# Allegro board 1010260-900-0012_PCB_Rev-a.brd (continued)
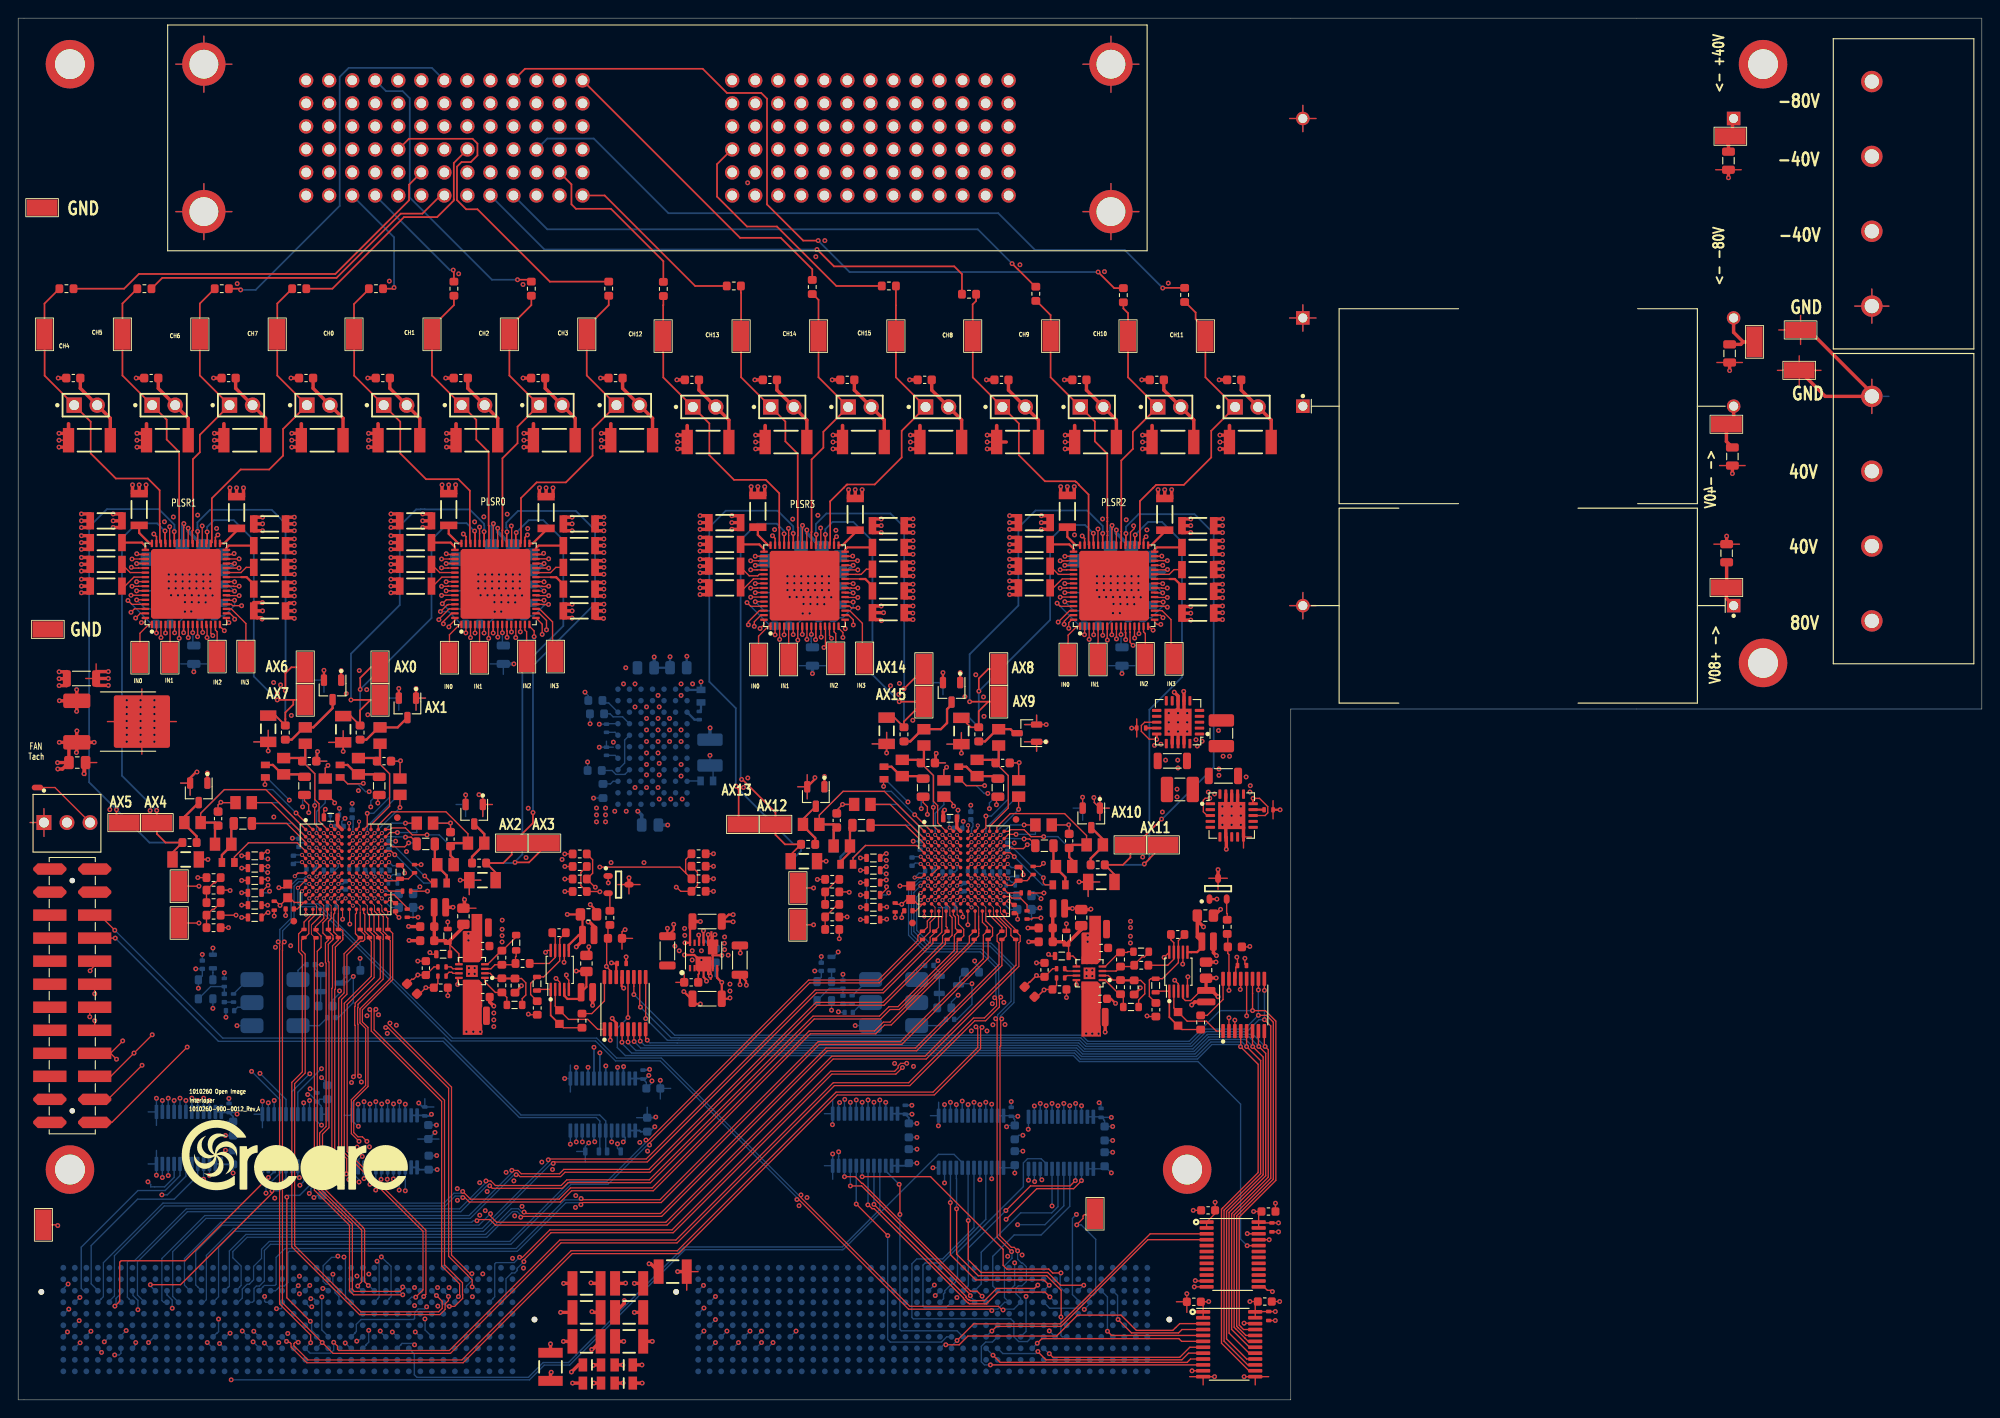
[diagram p0: board, top side]
## Routing (per net, layer and track width the routed paths; a pad name or vN(x,y) marks a point on that pad's centre or on a via; arc(x,y) is an arc through that point) (continued)
PLSR1_SEL2_3V3: length 55.7
  TOP w0.152: U36.12 20.32,85.46 20.32,84.71 20.35,84.68 v1(20.35,84.65)
  L3 - SIG1 w0.152: v1(19.8,33.02) 19.8,33.36 17.84,35.32 17.84,81.56 20.26,83.98 20.35,84.07 v1(20.35,84.65)
  BOTTOM w0.152: U6.20 v1(19.8,33.02)
PLSR1_SEL3: length 22
  L3 - SIG1 w0.152: v1(25.98,7.57) 25.15,8.41 25.15,21.35 27.55,23.75 v1(28.3,23.75)
  BOTTOM w0.152: U7.8 29.53,24.46 28.82,23.75 v1(28.3,23.75) ; J3.D23 26.57,6.96 26.55,6.99 26.55,7.01 v1(25.98,7.57)
PLSR1_SEL3_3V3: length 59.9
  TOP w0.152: U36.16 22.25,85.32 v1(22.73,84.84)
  L3 - SIG1 w0.152: v1(25.74,36.23) 18.96,43.01 18.96,78.13 22.73,81.9 v1(22.73,84.84)
  BOTTOM w0.152: v1(25.74,36.23) 28.88,33.09 U7.16
PLSR2_CLK: length 58
  L8 - SIG4 w0.152: v1(66.73,28.45) 87.22,7.95 113.36,7.95 v1(113.7,7.61)
  BOTTOM w0.152: v1(66.73,28.45) 66.94,28.66 66.94,28.93 66.74,29.12 U9.3 ; J2.D9 v1(113.7,7.61)
PLSR2_CLK_3V3: length 88.1
  TOP w0.196: U38.8 v1(120.6,84.38)
  L8 - SIG4 w0.152: v1(66.09,36.68) 66.09,45.44 68.66,48.01 68.66,58.01 89.99,79.35 116.64,79.35 120.6,83.31 v1(120.6,84.38)
  BOTTOM w0.196: U9.21 v1(66.09,36.68)
PLSR2_NEG0: length 24.8
  L8 - SIG4 w0.152: v1(106.05,24.28) 106.05,15.77 111.84,9.98 v1(117.56,9.98)
  BOTTOM w0.152: v1(117.56,9.98) 118.16,10.58 J2.G6 ; v1(106.05,24.28) U5.5
PLSR2_NEG0_3V3: length 63.3
  TOP w0.152: v1(115.34,85.54) 115.35,85.55 115.35,85.89 116.01,86.55 U38.63
  L3 - SIG1 w0.152: v1(105.4,32.82) 105.4,32.82 119.37,46.8 119.37,77.17 115.35,81.2 115.35,85.53 v1(115.34,85.54)
  BOTTOM w0.152: U5.19 v1(105.4,32.82)
PLSR2_NEG1: length 16.8
  L8 - SIG4 w0.152: v1(112.88,24.27) v1(116.7,20.46)
  BOTTOM w0.152: v1(112.88,24.27) 112.71,24.45 U3.10 ; v1(116.7,20.46) 116.26,20.02 116.26,11.61 116.89,10.97 J2.G7
PLSR2_NEG1_3V3: length 58.4
  TOP w0.152: U38.3 v1(118.1,83.88)
  L3 - SIG1 w0.152: v1(118.1,83.88) 118.1,79.76 120.21,77.64 120.21,73.32 120.22,73.31 120.22,46.43 112.06,38.27 v1(112.06,32.42)
  BOTTOM w0.152: U3.14 v1(112.06,32.42)
PLSR2_NEG2: length 19.3
  BOTTOM w0.152: J2.H16 106.2,12.77 106.2,16.28 110.54,20.62 113.97,20.62 114.66,21.31 U3.7
PLSR2_NEG2_3V3: length 58.2
  TOP w0.152: U38.13 123.1,84.04 v1(123.11,84.02)
  L3 - SIG1 w0.152: v1(114.01,32.7) 114.01,39 121.06,46.05 121.06,73.66 121.05,73.67 121.05,77.82 123.43,80.2 123.43,83.71 v1(123.11,84.02)
  BOTTOM w0.152: U3.17 v1(114.01,32.7)
PLSR2_NEG3: length 21.2
  TOP w0.152: v1(116.57,24.18) 115.99,23.6 111.63,23.6 v1(108.92,20.88)
  BOTTOM w0.152: U3.4 116.61,24.21 v1(116.57,24.18) ; v1(108.92,20.88) 104.78,16.74 104.78,12.6 104.21,12.04 J2.H17
PLSR2_NEG3_3V3: length 59.5
  TOP w0.152: U38.17 125.32,85.81 125.6,85.53 v1(126,85.53)
  L3 - SIG1 w0.152: v1(115.96,32.44) 115.96,39.63 121.89,45.57 121.89,77.47 126,81.58 v1(126,85.53)
  BOTTOM w0.152: U3.20 v1(115.96,32.44)
PLSR2_OTPN: length 176.1
  TOP w0.152: 8.44,43.31 7.9,42.76 v1(7.9,42.25) ; v1(126.72,87.43) 126.52,87.43 126.44,87.52 126.06,87.52 126.03,87.55 U38.20
  L3 - SIG1 w0.152: v1(126.72,87.43) 126.57,87.29 123.27,87.29 123.27,87.29 122.11,87.29 122.11,87.29 119.84,87.29 119.69,87.43 114.29,87.43 113.79,87.93 93.87,87.93 92.74,86.8 91.96,86.8 91.56,86.4 86.36,86.4 85.67,87.08 79.8,87.08 77.66,84.94 77.66,61.9 75.9,60.13 75.9,57 71.11,52.21 71.11,39.66 62.33,30.89 14.82,30.89 7.9,37.81 v1(7.9,42.25)
PLSR2_POS0: length 22.7
  BOTTOM w0.152: J2.G18 102.54,10.38 102.52,10.38 102.3,10.16 99.95,10.16 99.77,10.34 99.77,14.86 100.01,15.1 101.89,15.1 106.7,19.91 U5.4
PLSR2_POS0_3V3: length 62.3
  TOP w0.152: U38.64 116.17,86.05 115.85,85.72 v1(115.85,85.1)
  L3 - SIG1 w0.152: v1(106.05,32.57) 106.05,33.08 119.65,46.68 119.65,77.39 115.85,81.19 v1(115.85,85.1)
  BOTTOM w0.152: U5.20 v1(106.05,32.57)
PLSR2_POS1: length 22.8
  BOTTOM w0.152: J2.G19 102.04,11.15 102.04,11.68 102.18,11.82 102.18,12.03 102.93,12.78 103.14,12.78 103.45,13.09 103.45,13.3 103.58,13.44 103.58,16.26 110.85,23.52 110.85,26.14 111.3,26.6 112.81,26.6 113.36,26.05 U3.9
PLSR2_POS1_3V3: length 58.1
  TOP w0.152: U38.4 v1(118.6,84.38)
  L3 - SIG1 w0.152: v1(118.6,84.38) 118.6,79.7 120.49,77.81 120.49,73.43 120.5,73.43 120.5,46.31 112.71,38.52 v1(112.71,32.7)
  BOTTOM w0.152: U3.15 v1(112.71,32.7)
PLSR2_POS2: length 23.1
  L3 - SIG1 w0.152: v1(110.21,19.32) 108.94,19.32 v1(101.13,11.51)
  BOTTOM w0.152: v1(101.13,11.51) J2.H19 ; v1(110.21,19.32) 113.22,19.32 115.31,21.4 U3.6
PLSR2_POS2_3V3: length 58.1
  TOP w0.152: U38.14 123.6,84.52 v1(123.59,84.51)
  L3 - SIG1 w0.152: v1(123.59,84.51) 123.94,84.16 123.94,80.32 121.33,77.7 121.33,73.78 121.34,73.77 121.34,45.91 114.66,39.24 v1(114.66,32.44)
  BOTTOM w0.152: U3.18 v1(114.66,32.44)
PLSR2_POS3: length 23.2
  TOP w0.152: v1(117.25,24.18) 117.25,24.16 116.38,23.29 112.32,23.29 v1(108.94,19.91)
  L3 - SIG1 w0.152: v1(101.03,12.66) 101.69,12.66 v1(108.94,19.91)
  BOTTOM w0.152: J2.H20 100.4,12.04 v1(101.03,12.66) ; U3.3 117.26,24.19 v1(117.25,24.18)
PLSR2_POS3_3V3: length 60.3
  TOP w0.152: v1(126.24,86.27) 125.96,86.55 U38.18
  L3 - SIG1 w0.152: v1(126.24,86.27) 126.52,85.99 126.52,81.69 122.17,77.34 122.17,45.44 116.61,39.88 v1(116.61,32.7)
  BOTTOM w0.152: U3.21 v1(116.61,32.7)
PLSR2_SEL0: length 36.6
  BOTTOM w0.152: J2.D11 111.29,6.43 110.33,6.43 109.8,6.96 109.8,8.6 109.45,8.94 98.7,8.94 98.55,9.09 98.55,15.01 99.09,15.54 101.94,15.54 105.4,19 U5.6
PLSR2_SEL0_3V3: length 64.6
  TOP w0.152: U38.62 115.94,87.05 v1(114.68,85.79)
  L3 - SIG1 w0.152: v1(114.68,85.79) 114.68,81.37 119.09,76.96 119.09,46.91 105.48,33.3 105.2,33.3 104.75,32.85 v1(104.75,32.57)
  BOTTOM w0.152: U5.18 v1(104.75,32.57)
PLSR2_SEL1: length 20.5
  L8 - SIG4 w0.152: v1(111.14,11.41) 107.35,15.2 v1(107.35,24.38)
  BOTTOM w0.152: v1(107.35,24.38) U5.3 ; v1(111.14,11.41) 111.14,7.55 J2.D12
PLSR2_SEL1_3V3: length 60.4
  TOP w0.152: v1(117.58,84.4) 117.6,84.41 U38.2
  L3 - SIG1 w0.152: v1(106.7,32.82) 106.7,33.32 119.93,46.55 119.93,77.53 117.82,79.64 117.82,79.64 117.58,79.88 v1(117.58,84.4)
  BOTTOM w0.152: U5.21 v1(106.7,32.82)
PLSR2_SEL2: length 15.4
  L8 - SIG4 w0.152: v1(109.88,15.11) 109.88,17.24 114.01,21.36 v1(114.01,21.39)
  BOTTOM w0.152: v1(114.01,21.39) U3.8 ; J2.H13 109.88,12.64 v1(109.88,15.11)
PLSR2_SEL2_3V3: length 58.2
  TOP w0.152: v1(122.94,83.22) 122.61,83.55 122.61,83.67 122.6,83.68 122.6,84.67 122.6,84.68 U38.12
  L3 - SIG1 w0.152: v1(122.94,83.22) 120.78,81.06 120.78,77.94 120.77,77.94 120.77,73.55 120.78,73.54 120.78,46.18 113.36,38.76 v1(113.36,32.44)
  BOTTOM w0.152: U3.16 v1(113.36,32.44)
PLSR2_SEL3: length 18.9
  BOTTOM w0.152: J2.H14 107.47,12.57 107.47,15.82 109.83,18.19 112.8,18.19 115.96,21.34 U3.5
PLSR2_SEL3_3V3: length 58.5
  TOP w0.152: v1(125.15,84.89) 125.11,84.93 125.05,84.93 124.66,85.33 U38.16
  L3 - SIG1 w0.152: v1(125.15,84.89) 124.41,84.15 124.41,80.39 121.61,77.59 121.61,73.91 121.62,73.9 121.62,45.7 115.31,39.39 v1(115.31,32.7)
  BOTTOM w0.152: U3.19 v1(115.31,32.7)
PLSR3_CLK: length 37.3
  L8 - SIG4 w0.152: v1(43.71,6.07) 43.74,6.05 47.93,6.05 65.44,23.56 v1(65.44,28.45)
  BOTTOM w0.152: J3.C11 42.2,6.07 42.2,6.08 42.2,6.1 42.32,6.22 43.56,6.22 v1(43.71,6.07) ; v1(65.44,28.45) U9.5
PLSR3_CLK_3V3: length 58.9
  TOP w0.196: U39.8 v1(86.47,84.42)
  L8 - SIG4 w0.152: v1(86.47,84.42) 86.47,77.58 72.1,63.21 72.1,63.2 68.05,59.14 68.05,48.34 64.8,45.09 v1(64.8,36.83)
  BOTTOM w0.196: v1(64.8,36.83) 64.79,36.82 U9.19
PLSR3_NEG0: length 21.5
  TOP w0.152: v1(91.77,23.6) 93.01,23.6 104.99,11.61 v1(104.99,11.49)
  BOTTOM w0.152: J2.G16 105.46,10.92 105,11.38 105,11.48 v1(104.99,11.49) ; U4.9 v1(91.77,23.6)
PLSR3_NEG0_3V3: length 60.1
  TOP w0.152: U39.63 81.9,86.55 81.17,85.82 v1(81.17,85.32)
  L3 - SIG1 w0.152: v1(81.17,85.32) 81.17,80.08 84.59,76.66 84.59,39.17 90.4,33.36 90.93,33.36 v1(91.15,33.14)
  BOTTOM w0.152: U4.15 91.12,33.11 v1(91.15,33.14)
PLSR3_NEG1: length 30.5
  TOP w0.152: v1(113.77,11.35) 113.23,11.89 108.05,11.89 106.76,10.59 104.88,10.59 104.74,10.73 104.68,10.73 104.24,11.18 104.24,11.24 94.39,21.09 94.17,21.09 93.75,21.51 v1(93.7,21.51)
  BOTTOM w0.152: v1(113.77,11.35) J2.G9 ; v1(93.7,21.51) 93.71,21.53 93.71,23.48 93.72,23.48 U4.6
PLSR3_NEG1_3V3: length 58.4
  TOP w0.152: U39.3 v1(83.97,83.88)
  L3 - SIG1 w0.152: v1(93.07,32.82) 93.07,33.33 92.2,34.2 90.75,34.2 85.43,39.52 85.43,78.02 83.97,79.48 v1(83.97,83.88)
  BOTTOM w0.152: U4.18 v1(93.07,32.82)
PLSR3_NEG2: length 26
  TOP w0.152: v1(97.23,20.45) 97.23,23.69 v1(97.15,23.77)
  BOTTOM w0.152: v1(97.15,23.77) 95.87,25.05 95.86,25.05 95.67,25.24 U4.3 ; J2.D17 103.53,7.62 97.38,7.62 97.23,7.77 v1(97.23,20.45)
PLSR3_NEG2_3V3: length 59.7
  TOP w0.152: v1(88.86,82.99) 88.9,83.03 88.9,83.1 89.03,83.22 89.03,85.27 U39.13
  L3 - SIG1 w0.152: v1(95.02,33.08) 94.99,33.08 93.03,35.04 91.1,35.04 86.27,39.87 86.27,80.4 v1(88.86,82.99)
  BOTTOM w0.152: U4.21 v1(95.02,33.08)
PLSR3_NEG3: length 28.4
  TOP w0.152: v1(114.98,9.14) 115.01,9.17 115.01,12.09 113.41,13.69 105.87,13.69 103.49,16.07 103.49,21.06 v1(103.48,21.07)
  BOTTOM w0.152: J2.D8 115.13,6.96 114.98,7.11 v1(114.98,9.14) ; U5.9 103.45,24.4 103.48,24.37 v1(103.48,21.07)
PLSR3_NEG3_3V3: length 68.2
  TOP w0.152: v1(91.21,85.05) 91.19,85.08 U39.17
  L3 - SIG1 w0.152: v1(91.21,85.05) 90.44,84.29 90.44,80.95 86.82,77.34 86.82,40.1 91.31,35.61 100.01,35.61 v1(102.8,32.82)
  BOTTOM w0.152: U5.15 v1(102.8,32.82)
PLSR3_OTPN: length 139.7
  TOP w0.152: 8.44,40.77 v1(8.44,41.83) ; v1(92.61,87.35) 91.87,87.35 91.67,87.55 U39.20
  L3 - SIG1 w0.152: v1(92.61,87.35) 92.46,87.2 85.96,87.2 85.79,87.36 79.69,87.36 77.38,85.06 77.38,62.05 75.58,60.25 75.58,57.11 70.83,52.36 70.83,39.78 62.22,31.17 14.95,31.17 8.44,37.67 v1(8.44,41.83)
PLSR3_POS0: length 28
  TOP w0.152: v1(92.42,21.6) v1(95.89,18.12)
  BOTTOM w0.152: v1(95.89,18.12) 95.89,18.11 95.89,6.66 96.16,6.38 101.8,6.38 101.86,6.43 101.87,6.43 102.39,6.96 J2.D18 ; v1(92.42,21.6) U4.8
PLSR3_POS0_3V3: length 59.3
  TOP w0.152: v1(81.81,85.08) 81.89,85.16 82.25,85.52 U39.64
  L3 - SIG1 w0.152: v1(81.81,85.08) 81.81,80.2 84.87,77.15 84.87,39.29 90.52,33.64 91.33,33.64 91.8,33.17 91.8,32.85 v1(91.77,32.82)
  BOTTOM w0.152: U4.16 v1(91.77,32.82)
PLSR3_POS1: length 28.4
  TOP w0.152: v1(112.44,12.66) 112.07,12.29 107.9,12.29 106.55,10.95 104.98,10.95 104.92,11.01 104.8,11.01 104.52,11.29 104.52,11.41 v1(94.37,21.56)
  BOTTOM w0.152: U4.5 v1(94.37,21.56) ; v1(112.44,12.66) J2.H11
PLSR3_POS1_3V3: length 58.4
  TOP w0.152: U39.4 v1(84.47,84.38)
  L3 - SIG1 w0.152: v1(84.47,84.38) 85.71,83.14 85.71,39.64 90.86,34.48 92.31,34.48 v1(93.72,33.08)
  BOTTOM w0.152: U4.19 v1(93.72,33.08)
PLSR3_POS2: length 22.7
  TOP w0.152: v1(102.79,21.76) 102.8,21.75 102.8,16.02 105.59,13.23 113.11,13.23 v1(113.69,12.65)
  BOTTOM w0.152: v1(113.69,12.65) J2.H10 ; v1(102.79,21.76) 102.8,21.77 U5.10
PLSR3_POS2_3V3: length 66.6
  TOP w0.152: v1(89.68,84) 89.68,84.11 89.47,84.32 U39.14
  L3 - SIG1 w0.152: v1(102.15,32.57) 99.39,35.33 91.2,35.33 86.54,39.98 86.54,78.19 89.68,81.32 v1(89.68,84)
  BOTTOM w0.152: U5.14 v1(102.15,32.57)
PLSR3_POS3: length 24.9
  TOP w0.152: v1(117.5,12.65) 114.94,12.65 113.54,14.05 106.18,14.05 104.77,15.46 104.77,19.78 v1(104.76,19.78)
  BOTTOM w0.152: v1(117.5,12.65) J2.H7 ; U5.7 104.75,19.8 104.76,19.79 v1(104.76,19.78)
PLSR3_POS3_3V3: length 70.2
  TOP w0.152: U39.18 91.58,86.55 92.09,86.04 v1(92.09,85.47)
  L3 - SIG1 w0.152: v1(92.09,85.47) 92.09,80.68 87.38,75.97 87.38,40.33 91.54,36.17 100.88,36.17 v1(104.1,32.95)
  BOTTOM w0.152: U5.17 v1(104.1,32.95)
PLSR3_SEL0: length 22.7
  TOP w0.152: v1(91.12,24.61) 92.3,24.61 93.04,23.88 93.12,23.88 105.01,11.99 105.74,11.99 v1(106.3,11.43)
  BOTTOM w0.152: U4.10 v1(91.12,24.61) ; J2.G15 106.71,10.77 106.28,11.2 106.28,11.41 v1(106.3,11.43)
PLSR3_SEL0_3V3: length 60.7
  TOP w0.152: U39.62 81.74,87.05 80.52,85.83 80.52,85.49 v1(80.52,85.49)
  L3 - SIG1 w0.152: v1(90.58,32.79) 84.31,39.06 84.31,76.26 80.52,80.05 v1(80.52,85.49)
  BOTTOM w0.152: U4.14 90.47,32.68 v1(90.58,32.79)
PLSR3_SEL1: length 31
  TOP w0.152: v1(93.07,24.61) 100.61,24.61 108.61,16.61 108.61,14.83 109.02,14.43 113.64,14.43 114.07,14 v1(114.99,14)
  BOTTOM w0.152: J2.H8 115.3,12.04 114.91,12.42 114.91,13.92 v1(114.99,14) ; U4.7 v1(93.07,24.61)
PLSR3_SEL1_3V3: length 58.1
  TOP w0.152: U39.2 v1(83.47,84.38)
  L3 - SIG1 w0.152: v1(83.47,84.38) 83.49,84.36 83.49,79.15 85.15,77.49 85.15,39.41 90.63,33.92 91.71,33.92 92.42,33.21 v1(92.42,33.08)
  BOTTOM w0.152: U4.17 v1(92.42,33.08)
PLSR3_SEL2: length 67.1
  BOTTOM w0.152: J3.C10 43.47,5.3 43.47,5.28 43.69,5.06 43.69,2.77 43.97,2.49 56.27,2.49 57.9,4.11 60.69,4.11 61.52,4.94 61.52,4.95 73.43,16.87 90.88,16.87 95.02,21 U4.4
PLSR3_SEL2_3V3: length 59.4
  TOP w0.152: v1(88.55,84.13) 88.55,84.22 88.52,84.26 88.52,85.28 U39.12
  L3 - SIG1 w0.152: v1(94.37,32.82) 94.37,33.19 92.8,34.76 90.98,34.76 85.99,39.75 85.99,81.21 88.55,83.78 v1(88.55,84.13)
  BOTTOM w0.152: U4.20 v1(94.37,32.82)
PLSR3_SEL3: length 101.4
  L3 - SIG1 w0.152: v1(22.1,8.92) 22.69,8.32 22.69,3.01 v1(23.5,2.21)
  BOTTOM w0.152: J3.D27 21.88,7.34 21.92,7.34 22.1,7.52 v1(22.1,8.92) ; v1(23.5,2.21) 56.39,2.21 58.01,3.84 60.81,3.84 73.53,16.56 90.88,16.56 90.91,16.59 91,16.59 101.49,27.08 103.2,27.08 104.1,26.17 U5.8
PLSR3_SEL3_3V3: length 67.8
  TOP w0.152: U39.16 90.47,85.12 90.95,84.64 v1(90.95,84.09)
  L3 - SIG1 w0.152: v1(103.45,32.57) 103.45,32.85 100.4,35.89 91.43,35.89 87.1,40.22 87.1,76.59 90.95,80.43 v1(90.95,84.09)
  BOTTOM w0.152: U5.16 v1(103.45,32.57)
PLSR_OEN: length 67.4
  TOP w0.152: v1(10.71,50.93) J1.8
  BOTTOM w0.152: R213.2 64.14,27.5 U9.7 64.14,30.75 63.75,31.14 55.27,31.14 46.86,39.55 22.09,39.55 v1(10.71,50.93)
PLSR_OEN_3V3: length 40
  TOP w0.152: v1(63.65,56.55) 63.61,56.55 R219.1 63.35,58.09 63.35,59.57 R221.1 ; v1(72.57,56.55) 72.61,56.55 73.06,56.09 R217.1 74.9,56.74 74.9,58.2 R214.1
  L3 - SIG1 w0.152: v1(72.57,56.55) v1(63.65,56.55) 63.65,56.51 63.67,56.49 63.67,55.85 63.82,55.69 63.82,39.22 v1(63.49,38.89)
  BOTTOM w0.196: v1(63.49,38.89) U9.17
PLSR_REN: length 69.2
  TOP w0.152: J1.6 8.99,53.47 v1(10.66,51.8)
  BOTTOM w0.152: R212.2 64.79,27.55 U9.6 64.79,30.76 64.14,31.42 55.45,31.42 46.96,39.9 22.56,39.9 v1(10.66,51.8)
PLSR_REN_3V3: length 41.1
  TOP w0.152: R215.1 73.61,59.59 73.61,58.11 ; R216.1 73.61,58.11 ; 73.61,58.11 72.96,58.76 v1(64.13,58.76) ; v1(64.14,56.05) 64.12,56.07 R218.1 62.05,56.72 62.05,58.18 R220.1
  L3 - SIG1 w0.152: v1(64.14,56.05) v1(64.14,38.28)
  L8 - SIG4 w0.152: v1(64.13,58.76) 64.14,58.75 v1(64.14,56.05)
  BOTTOM w0.196: U9.18 v1(64.14,38.28)
TX0: length 36.2
  TOP w0.196: R167.1 38.68,122.5 37.04,120.86 TP39.1 37.05,117.51 37.05,112.97 J5.1 42.13,107.89 42.13,104.39 44.98,101.55 48.54,101.55 49.81,100.28 49.81,94.54 U37.46
TX1: length 30.9
  TOP w0.196: R168.1 48.05,120.75 45.63,118.33 TP40.1 45.63,112.98 J6.1 50.51,108.1 50.51,105.92 51.88,104.55 51.88,96.43 51.92,96.39 51.92,94.5 U37.42
TX2: length 31.4
  TOP w0.196: R169.1 56.59,120.75 54.17,118.33 TP41.1 54.17,112.98 J7.1 55.07,107.34 55.07,105.51 53.4,103.85 53.4,95.92 53.38,95.9 U37.39
TX3: length 35.9
  TOP w0.196: R170.1 65.12,120.75 62.7,118.33 TP42.1 62.7,112.98 J8.1 63.34,107.08 63.34,104.14 60.39,101.19 57.18,101.19 55.45,99.47 55.45,94.53 U37.35
TX4: length 36.2
  TOP w0.196: R175.1 2.91,120.92 TP44.1 2.92,117.51 2.92,112.97 J9.1 8,107.89 8,104.39 10.77,101.63 14.3,101.63 15.61,100.32 15.61,96.63 15.63,96.61 15.63,94.59 U36.46
TX5: length 31.4
  TOP w0.196: R176.1 11.5,120.92 TP45.1 11.5,112.98 J10.1 16.38,108.1 16.38,105.92 17.75,104.55 U36.42
TX6: length 31.8
  TOP w0.196: R177.1 20.04,120.92 TP43.1 20.04,112.98 J11.1 20.04,106.44 20.04,104.52 19.27,103.75 19.27,95.92 19.2,95.85 19.2,94.51 U36.39
TX7: length 36.4
  TOP w0.196: R178.1 28.57,120.92 TP46.1 28.57,112.98 J12.1 29.21,107.08 29.21,104.14 27.69,102.62 24.54,102.62 21.36,99.44 21.36,94.58 U36.35
TX8: length 35.1
  TOP w0.196: U38.46 118.03,94.33 118.03,99.85 116.98,100.9 116.98,100.94 116.67,101.25 116.64,101.25 116.56,101.32 113.22,101.32 110.35,104.2 110.35,107.69 J13.1 105.27,112.77 105.27,117.32 TP47.1 105.25,120.83 105.63,121.2 R183.1
TX9: length 30.3
  TOP w0.196: R184.1 112.27,121.22 113.85,119.64 TP48.1 113.85,112.79 J14.1 118.73,107.9 118.73,105.72 120.1,104.35 120.1,97.32 120.1,97.32 120.1,96.88 120.1,96.88 120.1,95.8 120.12,95.78 120.12,95.34 120.1,95.32 U38.42
TX10: length 30
  TOP w0.196: R185.1 121.87,120.38 122.38,119.86 TP49.1 122.38,112.79 J15.1 122.92,106.78 122.92,104.89 121.64,103.61 121.64,95.78 121.63,95.77 121.63,94.3 U38.39
TX11: length 35.3
  TOP w0.196: R186.1 128.68,121.09 129.84,119.93 129.84,119.21 130.92,118.13 TP50.1 130.92,112.79 J16.1 131.56,106.88 131.56,103.94 128.53,100.92 125.48,100.92 125.17,100.61 125.17,100.61 123.7,99.13 123.7,94.37 U38.35
TX12: length 34.9
  TOP w0.196: R196.1 71.15,120.74 71.12,120.72 TP51.1 71.14,117.32 71.14,112.77 J17.1 76.22,107.69 76.22,104.2 78.94,101.47 82.45,101.47 83.92,100 83.92,96.22 83.94,96.2 83.94,94.3 U39.46
TX13: length 31.2
  TOP w0.196: U39.42 85.97,95.32 85.99,95.34 85.99,96.21 85.97,96.23 85.97,104.35 84.6,105.72 84.6,107.9 J18.1 79.72,112.79 TP52.1 79.72,122.1 79.7,122.12 R197.1
TX14: length 31
  TOP w0.196: U39.39 87.47,95.7 87.49,95.72 87.49,103.72 88.79,105.02 88.79,106.78 J19.1 88.25,112.79 TP53.1 88.25,121.33 87.62,121.97 R198.1
TX15: length 36.1
  TOP w0.196: R199.1 96.79,120.72 96.79,120.72 TP54.1 96.79,112.79 J20.1 97.43,106.88 97.43,103.94 94.45,100.97 91.4,100.97 91.35,100.92 91.04,100.61 91.04,100.61 89.54,99.1 89.54,94.34 U39.35
VOCM_1: length 11.9
  TOP w0.152: R59.2 47.61,50.19 ; 47.61,50.19 R47.1 ; 47.61,50.19 48.6,49.2 U19.9
  TOP w0.381: C277.1 49.05,52.4 49.05,52.11 R47.1 47.15,50.65 C295.2 C294.2 45.89,54.32 C293.1
VOCM_2: length 11.2
  TOP w0.152: R60.1 115.83,49.99 R136.2 116.31,48.95 116.69,48.57 U11.9
  TOP w0.381: C297.1 114.08,54.17 C299.2 C298.2 115.3,50.52 R60.1 117.22,51.87 C296.1
N15280754: length 8.2
  TOP w0.381: R171.2 44.29,108.27 J5.2 40.99,111.57 C207.1
N15319419: length 8.2
  TOP w0.381: R172.2 52.89,108.27 J6.2 49.58,111.57 C208.1
N15319634: length 8.2
  TOP w0.381: C209.1 58.12,111.57 J7.2 61.42,108.27 R173.2
N15319851: length 8.2
  TOP w0.381: C210.1 66.65,111.57 J8.2 69.95,108.27 R174.2
N15320070: length 8.2
  TOP w0.381: R179.2 10.16,108.27 J9.2 6.86,111.57 C211.1
N15320925: length 8.2
  TOP w0.381: C212.1 15.45,111.57 J10.2 18.75,108.27 R180.2
N15321150: length 8.2
  TOP w0.381: R181.2 27.29,108.27 J11.2 23.99,111.57 C213.1
N15321637: length 8.2
  TOP w0.381: R182.2 35.82,108.27 J12.2 32.52,111.57 C214.1
N15321862: length 8.2
  TOP w0.381: C215.1 109.2,111.38 J13.2 112.51,108.07 R187.2
N15322192: length 8.2
  TOP w0.381: R188.2 121.1,108.07 J14.2 117.8,111.38 C216.1
N15322421: length 8.2
  TOP w0.381: R189.2 129.64,108.07 J15.2 126.33,111.38 C217.1
N15322652: length 8.2
  TOP w0.381: R190.2 138.17,108.07 J16.2 134.87,111.38 C218.1
N15322887: length 8.2
  TOP w0.381: R200.2 78.38,108.07 J17.2 75.07,111.38 C219.1
N15323122: length 8.2
  TOP w0.381: C220.1 83.67,111.38 J18.2 86.97,108.07 R201.2
N15323363: length 8.2
  TOP w0.381: C221.1 92.2,111.38 J19.2 95.51,108.07 R202.2
N15323604: length 8.2
  TOP w0.381: C222.1 100.74,111.38 J20.2 104.04,108.07 R203.2
N15395091: length 1.2
  TOP w0.254: C231.1 137.37,65.1 U41.14
N15396273: length 1.2
  TOP w0.254: C238.1 124.35,74.09 U44.14
N15417654: length 1.7
  BOTTOM w0.254: U40.C1 74.58,75.03 R191.1
N15417658: length 1.1
  BOTTOM w0.254: R192.1 75.3,76.12 R191.2
N15417802: length 4.3
  BOTTOM w0.152: U40.E6 66.88,72.78 66.88,70.24 U40.H7
N15417886: length 1.5
  BOTTOM w0.152: U40.J1 73.8,68.26 R193.1
N15417946: length 1.4
  BOTTOM w0.152: R194.2 65.82,73.63 U40.E7
N15417966: length 1.4
  BOTTOM w0.152: U40.G7 65.82,71.09 R195.2
N15746758: length 6.4
  TOP w0.152: U10.B9 v2(38.51,62.51)
  BOTTOM w0.152: C33.2 41.96,66.73 38.51,63.28 v2(38.51,62.51)
N15746798: length 6.3
  TOP w0.152: U10.C9 v2(38.51,61.71)
  L3 - SIG1 w0.152: v1(38.88,65.41) 38.88,62.08 v2(38.51,61.71)
  BOTTOM w0.152: R4.2 39.54,66.72 38.88,66.06 v1(38.88,65.41)
N15746886: length 11.1
  TOP w0.152: U10.D9 v2(38.51,60.91)
  L3 - SIG1 w0.152: v1(38.71,67.08) 38.05,66.43 38.05,61.37 v2(38.51,60.91)
  BOTTOM w0.152: v1(38.71,67.08) 38.31,67.08 37.45,67.94 36.34,67.94 35.63,68.65 R5.2
N15747116: length 5.9
  TOP w0.152: C38.2 v1(42.11,65.33) ; U10.B10 v2(39.31,62.51)
  BOTTOM w0.152: v2(39.31,62.51) 42.11,65.31 v1(42.11,65.33)
N15747156: length 5.8
  TOP w0.152: U10.C10 v2(39.31,61.71) ; v1(39.66,65.83) 39.66,66.57 R9.2
  L3 - SIG1 w0.152: v1(39.66,65.83) 39.66,62.06 v2(39.31,61.71)
N15747244: length 11.3
  TOP w0.152: U10.D10 v2(39.31,60.91) ; R10.2 35.63,68.65 36.34,67.94 38,67.94 v1(38.06,68.01)
  L8 - SIG4 w0.152: v1(38.06,68.01) 38.06,61.69 38.51,61.24 38.98,61.24 v2(39.31,60.91)
N15747474: length 4.9
  TOP w0.152: C41.2 v1(42.71,63.61) ; U10.B11 v2(40.11,62.51)
  BOTTOM w0.152: v2(40.11,62.51) 41.21,63.61 v1(42.71,63.61)
N15747514: length 5
  TOP w0.152: U10.C11 v2(40.11,61.71) ; R15.2 43.95,61.46 43.35,62.06 v1(42.71,62.06)
  BOTTOM w0.152: v1(42.71,62.06) 42.68,62.1 41.62,62.1 41.6,62.12 40.51,62.12 v2(40.11,61.71)
N15747602: length 8.2
  TOP w0.152: v1(44.83,57.78) 45.61,57.01 R17.2 ; U10.D11 v2(40.11,60.91)
  BOTTOM w0.152: v2(40.11,60.91) 40.41,61.21 41.36,61.21 44.79,57.78 v1(44.83,57.78)
N15747832: length 4.7
  TOP w0.152: U10.B12 40.97,62.57 v1(41.82,62.57)
  BOTTOM w0.152: C46.2 43.96,62.58 43.95,62.57 v1(41.82,62.57)
N15747872: length 3.8
  TOP w0.152: U10.C12 41.02,61.31 41.32,61 42.63,61 v1(43.06,61.43)
  BOTTOM w0.152: R19.2 43.83,61.43 v1(43.06,61.43)
N15747960: length 6.8
  TOP w0.152: v1(41.53,60.12) 41.12,60.54 40.54,60.54 U10.D12
  BOTTOM w0.152: v1(41.53,60.12) 41.6,60.12 44.72,57.01 R22.2
N15748194: length 7.5
  TOP w0.152: C50.2 27.94,65.87 U10.B1
N15748234: length 7
  TOP w0.152: R26.2 29.61,63.58 31.71,61.49 U10.C1
N15748322: length 9.5
  TOP w0.152: U10.D1 30.77,61.44 25.41,61.44 23.85,59.88 R27.2
N15748552: length 8.3
  TOP w0.152: U10.B2 v2(32.11,62.51)
  BOTTOM w0.152: C54.2 28.74,65.87 v2(32.11,62.51)
N15748592: length 7.7
  TOP w0.152: U10.C2 v2(32.11,61.71)
  BOTTOM w0.152: v2(32.11,61.71) 30.24,63.58 R31.2
N15748680: length 10.3
  TOP w0.152: U10.D2 v2(32.11,60.91)
  BOTTOM w0.152: R32.2 23.85,59.89 25.4,61.44 31.57,61.44 v2(32.11,60.91)